# KiCad board 8851_HW-U1-VCU118_REV2-0_071417.kicad_pcb (continued)
## Routing (per net, layer and track width the routed paths; a pad name or vN(x,y) marks a point on that pad's centre or on a via; arc(x,y) is an arc through that point) (continued)
VCC1V2: length 25.8
  TOP w0.138: v3(223.07,59.74) 223.38,59.44 223.38,58.32 223.08,58.03 R1172.1
  TOP w0.15: v3(224.38,53.42) 224.12,53.17 220.88,53.17 220.73,53.32 220.73,55.06
  TOP w0.25: 220.62,68.34 v3(220.62,68.91)
  05_SIG2 w0.25: v3(220.62,68.91) 220.75,68.78 220.75,67.75 219.4,66.4 219.4,63.83 220.38,62.85 221.7,62.85 223.19,61.36 223.19,60.11 223.07,59.99 v3(223.07,59.74)
  BOTTOM w0.15: Z103.2 224.25,53.3 v3(224.38,53.42)
  BOTTOM w0.375: 219.66,55.29 218.87,55.29 v3(218.86,55.3)
  vias: v3(214.91,59.55) v3(216.03,59.55) v3(216.03,58.3) v3(217.28,59.55) v3(217.28,58.3) v3(218.53,59.55) v3(218.53,58.3) v3(219.78,59.55) v3(219.78,58.3) v3(221.03,59.55) v3(221.03,58.3)
VCC1V2_DL: length 7.1
  TOP w0.25: 221.21,45.86 220.62,45.86 220.12,46.35 v3(220.12,46.55)
  05_SIG2 w0.375: v3(220.12,46.55) 218.51,46.55 v3(216.71,48.35)
  BOTTOM w0.25: 215.43,47.96 216.1,47.96 216.48,48.35 v3(216.71,48.35)
VCC1V2_FET_SWITCH: length 23.8
  TOP w0.15: v3(224.38,52.42) 224.12,52.67 220.88,52.67 220.73,52.53 220.73,50.04
  TOP w0.375: v3(213.03,53.58) 212.94,53.66 212.94,54.55
  BOTTOM w0.15: R1107.2 224.12,52.67 v3(224.38,52.42)
  BOTTOM w0.25: 214.78,49.6 214.78,50.46 215.36,51.03 215.36,52.41 215.67,52.72 216.18,52.72
  BOTTOM w0.375: 219.57,50.85 218.56,50.85 216.69,52.72 216.18,52.72 216.18,53.95 215.51,54.63 213.78,54.63 213.41,54.26 213.41,53.96 v3(213.03,53.58) 213.43,53.17 213.43,52.72
  vias: v3(224.66,50.8) v3(224.66,49.55) v3(224.66,48.3) v3(225.16,47.55) v3(225.91,48.3) v3(225.91,47.05) v3(225.96,50.63) v3(225.93,49.38)
VCC1V2_FPGA: length 491.9
  TOP w0.102: v3(117.7,97.68) 117.7,98.43 ; v2(119.33,80.55) U1.H26
  TOP w0.138: R1172.2 223.83,58.03 223.66,58.2 223.66,59.48 v3(223.93,59.74)
  TOP w0.25: 73.38,70.03 73.38,69.52 v1(73.58,69.33) ; v1(79.88,34.49) 80.02,34.35 80.02,33.9 ; 77.74,97.77 77.74,97.3 v1(77.52,97.08) ; 66.52,41.65 67.21,41.65 v1(67.28,41.58) ; 77.01,33.78 77.52,34.29 v1(77.52,34.49) ; 66.52,69.4 67.21,69.4 v1(67.28,69.33) ; v1(68.07,48.36) 67.9,48.2 C349.1 ; 71.13,56.16 71.3,56.16 v1(72,55.45) ; C953.1 69.8,71.33 69.8,72.67 ; 79.88,70.03 79.88,69.33 v1(79.88,69.33) ; v1(73.58,49.15) 73.19,49.54 72.77,49.54 ; C492.1 73.52,48.31 v1(73.58,48.36) ; C498.1 73.52,34.44 v1(73.58,34.49) ; v1(68.07,34.49) 67.9,34.32 C353.1 ; 77.01,89.28 77.52,89.79 v1(77.52,89.99) ; C754.1 73.52,89.94 v1(73.58,89.99) ; v1(77.52,55.45) 77.74,55.68 77.74,56.14 ; C706.1 67.9,89.82 v1(68.07,89.99) ; 221.46,68.34 v3(221.46,68.91) ; v1(73.58,35.28) 73.19,35.67 72.77,35.67 ; C703.1 67.9,62.07 v1(68.07,62.24) ; 71.13,83.91 71.3,83.91 v1(72,83.2) ; 69.8,31.05 69.8,30.21 C558.1 v3(68.93,30.03) ; 79.88,56.16 79.88,55.46 v1(79.88,55.45) ; 80.02,61.65 80.02,62.1 v1(79.88,62.24) ; 71.13,70.03 71.64,70.03 71.74,69.93 71.74,69.59 v1(72,69.33) ; v1(68.07,76.11) 67.9,75.95 C1052.1 ; v3(68.93,43.91) C556.1 69.8,44.08 69.8,44.92 ; 79.88,97.78 79.88,97.08 v1(79.88,97.08) ; C436.1 78.9,56.05 v1(78.3,55.45) ; v1(78.3,69.33) 78.9,69.92 C716.1 ; 72.77,63.42 73.19,63.42 v1(73.58,63.03) ; C441.1 78.9,42.17 v1(78.3,41.58) ; v1(72,41.58) 71.71,41.87 71.71,42.1 71.53,42.28 71.13,42.28 ; 73.38,42.28 73.38,41.77 v1(73.58,41.58) ; v1(77.52,62.24) 77.52,62.04 77.01,61.53 ; 69.8,58.8 69.8,57.96 C695.1 v3(68.93,57.78) ; v1(73.58,97.08) 73.38,97.27 73.38,97.78 ; 73.38,83.91 73.38,83.4 v1(73.58,83.2) ; v1(73.58,62.24) 73.52,62.19 C751.1 ; v1(67.28,83.2) 67.21,83.28 66.52,83.28 ; v1(77.52,83.2) 77.74,83.43 77.74,83.89 ; 66.52,55.53 67.21,55.53 v1(67.28,55.45) ; 71.13,97.78 71.57,97.78 71.76,97.59 71.76,97.32 v1(72,97.08) ; 79.88,83.91 79.88,83.21 v1(79.88,83.2)
  TOP w0.3: C639.1 80.6,90.3 80.19,90.3 v1(79.88,89.99)
  TOP w0.375: 160.59,78.89 v1(160.19,79.28) ; 157.44,86.47 v1(157.05,86.07) ; C706.1 67.67,89.05 66.52,89.05 ; v3(148.6,30.75) 148.6,29.34 148.06,28.8 147.47,29.39 v3(147.47,30.75) ; U141.J1 v2(85.85,112.52) ; U141.B6 v2(90.78,120.4) ; 153.5,60.29 v1(153.11,60.68) ; 164.53,51.14 v1(164.92,51.53) ; U142.K4 v2(71.18,111.38) ; v2(101.61,74.65) 102.1,74.16 ; v3(86.51,97.67) 86.76,97.67 86.87,97.79 Q27.1 ; v1(158.62,58.32) 158.62,58.33 159,58.72 159.01,58.72 ; 157.44,72.59 v1(157.05,72.2) ; 159.01,51.14 v1(158.62,51.53) ; 144.25,104.17 143.88,104.17 143.53,104.52 143.48,104.52 v3(143.22,104.77) ; 95.21,75.14 v2(94.72,75.63) ; v2(97.67,76.62) 98.17,76.12 ; v3(58.9,81.96) 59.95,81.96 C520.1 59.97,81.08 v3(58.9,81.08) ; 106.04,62.35 v2(105.55,61.85) ; 103.09,71.2 v2(102.6,71.7) ; 160.59,37.02 v1(160.19,37.41) ; 163.74,58.72 v1(164.13,58.32) ; v1(67.28,97.08) 67.21,97.15 66.52,97.15 ; 152.71,44.84 v1(152.32,44.45) ; 82.25,70.15 81.51,70.15 v3(81.5,70.16) ; 152.71,37.02 v1(152.32,37.41) ; v3(58.89,82.88) 59.07,83.05 59.96,83.05 C519.1 60.21,83.68 v3(58.91,83.68) ; 155.08,44.84 v1(154.68,44.45) ; U142.J9 v2(77.09,112.37) ; v2(101.61,63.82) 102.1,64.31 ; v3(84,62.35) 84,62.34 83.96,62.3 83.24,62.3 83.24,63.55 ; 97.18,59.39 v2(96.69,58.9) ; v2(136.06,68.74) 135.57,68.25 ; U141.E9 v2(94.71,117.44) ; v2(136.06,78.59) 135.57,78.09 ; v2(118.34,83.51) U1.E25 ; 55.7,67.38 56.61,67.38 v3(56.83,67.59) ; C1232.1 99.87,117.68 v2(99.64,117.44) ; 155.08,92.77 v1(154.68,93.16) ; 96.2,52.5 v2(95.71,52.01) ; 76.6,116.8 v2(77.09,117.29) ; 163.74,30.72 v1(164.13,30.32) ; v1(158.62,30.32) 158.62,30.33 159,30.72 159.01,30.72 ; J101.1 228.96,54.2 ; J101.1 227.91,53.15 ; J101.1 228.17,53.94 ; J101.1 229.75,53.94 ; J101.1 230.01,53.15 ; J101.1 228.96,52.1 ; J101.1 228.17,52.36 ; J101.1 229.75,52.36 ; 157.44,78.89 v1(157.05,79.28) ; 113.57,125.33 104.62,125.33 103.6,125.33 v3(102.9,124.62) ; U141.B8 v2(93.73,120.4) ; 100.13,70.22 v2(99.64,70.71) ; 163.74,44.84 v1(164.13,44.45) ; U142.L11 v2(79.06,110.4) ; U141.A5 v2(89.79,121.38) ; v2(72.17,121.23) U142.A5 ; 108.99,63.33 v2(108.5,62.84) ; 157.44,92.77 v1(157.05,93.16) ; U141.E5 v2(89.79,117.44) ; 55.7,68.63 56.61,68.63 v3(56.83,68.84) ; v2(96.69,69.73) 97.18,69.24 ; 164.53,78.89 v1(164.92,79.28) ; v2(99.64,111.54) 99.7,111.61 C1292.1 ; 152.71,65.02 v1(152.32,65.41) ; v3(143.2,27.93) 144.31,27.93 144.69,28.3 C168.1 144.69,29.11 144.3,29.5 v3(143.1,29.5) ; v2(98.66,73.66) 99.15,73.17 ; v2(132.12,80.55) 131.63,80.06 ; 153.5,37.02 v1(153.11,37.41) ; 83.24,59.8 v3(84,59.8) ; v2(103.58,68.74) 104.07,68.25 ; U142.C3 v2(70.2,119.26) ; U142.L3 v2(70.2,110.4) ; 96.2,62.35 v2(95.71,61.85) ; 79.55,115.81 v2(80.04,116.31) ; 159.01,72.59 159,72.59 158.62,72.2 v1(158.62,72.2) ; 153.5,74.17 v1(153.11,74.56) ; v3(52.94,131.65) 52.94,131.04 52.33,130.43 51.78,130.98 v3(51.78,131.63) ; v2(133.11,67.76) 132.62,67.27 ; 80.53,116.8 v2(81.03,117.29) ; v3(64.85,112.11) 64.89,112.07 65.65,112.07 R1142.1 ; v2(72.17,112.37) U142.J5 ; 157.44,58.72 v1(157.05,58.32) ; v3(68.95,71.47) 69.27,71.16 C953.1 ; 160.59,51.14 v1(160.19,51.53) ; v3(56.83,70.09) 56.61,69.88 55.7,69.88 ; 155.08,72.59 v1(154.68,72.2) ; 155.08,30.72 v1(154.68,30.32) ; 72.78,90.48 73.09,90.48 v1(73.58,89.99) ; U141.J5 v2(89.79,112.52) ; U141.C11 v2(96.68,119.41) ; U141.C3 v2(87.82,119.41) ; U142.K10 v2(78.07,111.38) ; 153.5,46.42 v1(153.11,46.81) ; v2(113.42,85.48) U1.C21 ; 130.65,73.17 v2(131.14,73.66) ; 159.01,78.89 v1(158.62,79.28) ; 159.01,50.35 v1(158.62,50.75) ; 94.23,78.09 v2(93.74,78.59) ; 105.06,65.3 v2(104.56,65.79) ; 100.13,80.06 v2(99.64,80.55) ; v2(135.08,81.54) 134.58,81.05 ; U141.D10 v2(95.7,118.43) ; U142.C11 v2(79.06,119.26) ; 159.01,73.38 v1(158.62,72.99) ; v2(106.53,69.73) 107.02,69.24 ; 159.01,92.77 v1(158.62,93.16) ; v3(63.07,44.17) 63.88,44.17 64.12,44.42 64.12,45.49 62.79,45.49 62.42,45.12 v3(62.42,44.6) ; U141.L3 v2(87.82,110.55) ; 164.53,37.02 v1(164.92,37.41) ; U141.M6 v2(90.78,109.57) ; v2(94.72,54.96) 95.21,55.46 ; 159.01,65.02 v1(158.62,65.41) ; 68.72,116.8 v2(68.23,117.29) ; v3(68.93,30.03) 68.84,30.03 67.9,30.98 C353.1 ; 160.59,44.84 v1(160.98,44.45) ; v2(124.25,85.48) U1.C31 ; 159.01,59.5 v1(158.62,59.11) ; v1(75.15,76.11) 75.15,75.98 75.52,75.61 C1053.1 ; v3(172.38,66.08) 173.35,66.08 173.56,65.86 C166.1 173.56,64.27 v3(172.38,64.27) ; v1(71.22,76.11) 71.15,76.05 C1138.1 ; v2(137.04,75.63) 136.55,75.14 ; v2(88.81,111.54) U141.K4 ; 159.01,86.47 159,86.47 158.62,86.08 v1(158.62,86.07) ; 159.01,36.23 v1(158.62,36.62) ; v2(100.63,56.93) 101.12,57.42 101.12,57.42 ; 154.29,44.84 v1(153.9,44.45) ; 98.17,66.28 v2(97.67,66.77) ; U141.K10 v2(95.7,111.54) ; v2(139.01,79.57) 138.52,79.08 ; v1(73.58,76.11) 73.52,76.06 C1140.1 ; 134.58,71.2 v2(135.08,71.7) ; v2(100.63,77.6) 101.12,77.11 ; 155.08,65.02 v1(154.68,65.41) ; U141.J13 v2(98.65,112.52) ; 71.68,117.78 v2(71.18,118.27) ; 159.01,78.1 v1(158.62,78.5) ; U141.J9 v2(94.71,112.52) ; v3(81.54,72.33) 81.88,72.33 82.1,72.55 82.25,72.55 ; 160.59,65.02 v1(160.19,65.41) ; 155.08,78.89 v1(154.68,79.28) ; 153.5,92.77 v1(153.11,93.16) ; v2(126.22,68.74) 125.73,68.25 ; 157.44,30.72 v1(157.05,30.32) ; 157.44,44.84 v1(157.05,44.45) ; v1(75.15,48.36) 75.15,48.03 C348.1 ; 82.25,54.03 v3(81.5,54.03) ; 80.53,112.86 v2(81.03,112.37) ; 160.59,58.72 v1(160.98,58.32) ; v3(84,71.33) 83.85,71.17 83.24,71.17 ; v2(98.66,52.99) 99.15,53.49 ; 82.25,75.5 82.17,75.5 v3(81.62,76.05) ; 159.01,37.02 v1(158.62,37.41) ; 106.04,72.19 v2(105.55,72.68) ; v2(103.58,57.92) 104.07,58.41 ; 152.71,86.47 v1(152.32,86.07) ; U142.J1 v2(68.23,112.37) ; 160.59,92.77 v1(160.19,93.16) ; 164.53,65.02 v1(164.92,65.41) ; 94.23,48.57 v2(93.74,48.07) ; 155.08,37.02 v1(154.68,37.41) ; v2(99.64,50.04) 100.13,50.53 ; U141.A9 v2(94.71,121.38) ; U141.M8 v2(93.73,109.57) ; v2(99.64,59.88) 100.13,60.38 ; 157.44,65.02 v1(157.05,65.41) ; v3(84,60.99) 84,61 83.95,61.05 83.24,61.05 ; 157.44,51.14 v1(157.05,51.53) ; U141.D4 v2(88.81,118.43) ; 101.12,67.27 v2(100.63,67.76) ; 159.01,31.5 v1(158.62,31.11) ; 154.29,58.72 v1(153.9,58.32) ; 80.02,89.4 80.02,89.85 v1(79.88,89.99) ; v1(71.22,48.36) 71.15,48.3 C491.1 ; v3(56.83,71.34) 56.61,71.13 55.7,71.13 ; v1(158.62,44.45) 158.62,44.45 159,44.84 159.01,44.84 ; 103.09,61.36 v2(102.6,60.87) ; 154.29,86.47 v1(153.9,86.07) ; 79.55,113.85 v2(80.04,113.35) ; 133.6,74.16 v2(134.09,74.65) ; 107.02,59.39 v2(106.53,58.9) ; 155.08,51.14 v1(154.68,51.53) ; 155.08,86.47 v1(154.68,86.07) ; 163.74,86.47 v1(164.13,86.07) ; 157.44,37.02 v1(157.05,37.41) ; v2(129.17,69.73) 128.68,69.24 ; v2(130.15,66.77) 129.66,66.28 ; 95.21,65.3 v2(94.72,65.79) ; 69.38,87.8 69.38,87.04 70.12,86.3 v3(70.12,86.26) ; 154.29,30.72 v1(153.9,30.32) ; 154.29,72.59 v1(153.9,72.2) ; 153.5,65.02 v1(153.11,65.41) ; 159.01,64.23 v1(158.62,64.62) ; U141.N5 v2(89.79,108.58) ; 159.01,87.25 v1(158.62,86.86) ; v2(97.67,55.95) 98.17,56.44 ; 129.66,76.12 v2(130.15,76.62) ; 153.5,51.14 v1(153.11,51.53) ; 69.71,113.85 v2(69.21,113.35) ; 163.74,72.59 v1(164.13,72.2) ; v2(72.17,108.43) 72.66,108.92 ; 127.69,72.19 v2(128.19,72.68) ; 82.25,51.07 v3(81.5,51.07) ; v2(107.52,66.77) 108.01,66.28 ; 152.71,92.77 v1(152.32,93.16) ; 82.25,67.2 v3(81.5,67.2) ; C1270.1 v3(82.28,120.93) ; 153.5,78.89 v1(153.11,79.28) ; 152.71,78.89 v1(152.32,79.28) ; 96.2,72.19 v2(95.71,72.68) ; v2(138.03,72.68) 137.54,72.19 ; 152.71,51.14 v1(152.32,51.53) ; 153.5,88.04 v1(153.11,88.43) ; 159.01,91.98 v1(158.62,92.37) ; 77.58,117.78 v2(78.07,118.27) ; v2(96.69,79.57) 97.18,79.08 ; v2(107.52,83.51) U1.E15 ; v2(72.17,117.29) 72.66,116.8 ; v2(98.66,62.84) 99.15,63.33 ; v2(93.74,68.74) 94.23,68.25 ; 155.08,58.72 v1(154.68,58.32) ; v2(93.74,57.92) 94.23,58.41 ; U141.L11 v2(96.68,110.55) ; 153.5,32.29 v1(153.11,32.68) ; 159.01,45.63 v1(158.62,45.24) ; U1.D28 v2(121.3,84.49) ; 152.71,58.72 v1(152.32,58.32) ; v2(139.01,69.73) 138.52,69.24 ; U141.N9 v2(94.71,108.58) ; 152.71,30.72 v1(152.32,30.32) ; 132.62,77.11 v2(133.11,77.6) ; 164.53,92.77 v1(164.92,93.16)
  05_SIG2 w0.107: 118.41,88.07 118.39,88.05 118.34,88.05 117.94,87.65 117.94,86.21 117.61,85.88 117.05,85.88 116.79,85.62 116.79,81.43 117.07,81.15 117.65,81.15 117.95,80.85 117.95,80.29 118.08,80.16 119.22,80.16 119.33,80.27 v2(119.33,80.55)
  05_SIG2 w0.133: v3(117.7,97.68) 117.29,97.68 117.13,97.53 117.13,96.98 118.83,95.28 118.83,88.48 118.41,88.07
  05_SIG2 w0.25: v3(221.46,68.91) 221.41,68.85 221.41,67.48 220.06,66.13 220.06,64.1 220.65,63.51 221.97,63.51 223.85,61.63 223.85,60.08 223.93,59.99 v3(223.93,59.74)
  05_SIG2 w0.3: v2(131.14,73.66) 130.89,73.66 130.4,73.17 128.91,73.17 128.42,72.68 v2(128.19,72.68)
  05_SIG2 w0.375: 106.89,58.54 v2(106.53,58.9) 106.17,58.54 ; 105.91,62.21 v2(105.55,61.85) 105.19,62.21
  12_PWR3 w0.375: J105.1 88.94,128.16 ; J105.1 88.15,126.32 ; J105.1 88.15,127.9 ; J105.1 89.74,127.9 ; J105.1 88.94,126.06 ; J105.1 89.74,126.32 ; J105.1 87.89,127.11 ; J105.1 89.99,127.11 ; 228.17,53.94 J101.1 ; J101.1 228.96,52.1 ; J101.1 227.91,53.15 ; J101.1 230.01,53.15 ; J101.1 228.17,52.36 ; J101.1 228.96,54.2 ; J101.1 229.75,53.94 ; J101.1 229.75,52.36
  14_SIG4 w0.3: v2(129.17,69.73) 128.68,69.24 126.71,69.24 v2(126.22,68.74)
  16_SIG5 w0.25: v2(105.55,72.68) 105.06,72.19 103.09,72.19 v2(102.6,71.7)
  18_SIG6 w0.25: v2(101.61,74.65) 102.1,74.16 104.83,74.16 105.06,73.93 105.06,73.17 v2(105.55,72.68)
  20_SIG7 w0.3: v2(99.64,50.04) 99.64,50.25 99.15,50.74 99.15,52.5 v2(98.66,52.99) ; v2(95.71,52.01) 95.21,51.52 93.3,51.52 93.08,51.3 93.08,48.73 v2(93.74,48.07)
  BOTTOM w0.17: 92.77,117.06 92.77,117.06 93.14,117.06 93.24,116.96 94.23,116.96 v2(94.71,117.44)
  BOTTOM w0.188: v2(130.15,76.62) 130.15,76.8 130.65,77.3 130.65,82.75 130.88,82.97 131.32,82.97 131.65,83.3 131.65,83.75 131.9,84 133.33,84 133.6,84.27 133.6,84.29 133.6,84.71 133.87,84.98 134.31,84.98 134.58,85.25 134.58,85.7 134.85,85.97 135.32,85.97 135.57,86.22 135.57,86.68 135.84,86.95 138.56,86.95 138.92,86.59 142.82,86.59 143.74,85.67 148.87,85.67 149.06,85.87
  BOTTOM w0.25: C1172.1 152.75,79.65 v1(153.11,79.28) ; C1178.1 152.75,37.77 v1(153.11,37.41) ; 159.43,87.12 158.88,87.12 v1(158.62,86.86) ; 143.79,103.44 143.79,103.94 143.22,104.51 v3(143.22,104.77) ; v1(164.92,93.16) 165.18,93.42 165.18,93.75 ; v1(164.92,65.41) 165.18,65.67 165.18,66 ; v1(160.19,51.53) 160.9,52.24 C1165.1 ; v1(164.13,30.32) 164.19,30.26 C1204.1 ; 151.67,86 152.25,86 v1(152.32,86.07) ; 159.31,45.48 158.87,45.48 v1(158.62,45.24) ; C1174.1 152.75,93.59 v1(152.32,93.16) ; 165.18,38 165.18,37.67 v1(164.92,37.41) ; v1(158.62,93.16) 158.82,93.35 C1221.1 ; 162.67,82.74 162.67,83.12 162.49,83.3 162.49,83.7 v3(163.15,83.7) ; 165.18,52.12 165.18,51.8 v1(164.92,51.53) ; C1177.1 160.72,37.94 v1(160.19,37.41) ; C1197.1 164.19,72.14 v1(164.13,72.2) ; C1210.1 157,44.4 v1(157.05,44.45) ; C1224.1 153.79,89.12 v1(153.11,88.43) ; v1(153.11,51.53) 152.75,51.9 C1166.1 ; C1209.1 158.94,51.85 v1(158.62,51.53) ; v1(153.11,46.81) 153.79,47.49 C1211.1 ; v1(164.13,58.32) 164.19,58.26 C1193.1 ; v1(158.62,37.41) 158.82,37.6 C1228.1 ; 151.67,30.25 152.25,30.25 v1(152.32,30.32) ; v1(157.05,58.32) 157,58.27 C1214.1 ; v1(157.05,37.41) 156.85,37.61 C1207.1 ; v1(158.62,59.11) 158.87,59.36 159.31,59.36 ; v1(160.19,93.16) 160.72,93.69 C1175.1 ; 165.18,79.87 165.18,79.55 v1(164.92,79.28) ; C1220.1 157,72.15 v1(157.05,72.2) ; v1(157.05,51.53) 156.85,51.73 C1188.1 ; v1(157.05,93.16) 156.85,93.36 C1202.1 ; 162.67,68.88 162.67,69.37 162.49,69.55 162.49,69.83 v3(163.27,69.83) ; v1(153.11,32.68) 153.79,33.37 C1227.1 ; v1(157.05,86.07) 157,86.02 C1222.1 ; v3(166.57,30.4) C1161.1 ; C1189.1 164.19,44.39 v1(164.13,44.45) ; 162.49,55.95 162.98,55.95 163.09,56.07 v3(163.48,56.07) 163.57,55.98 C1146.1
  BOTTOM w0.3: v1(157.05,30.32) 157,30.27 C1226.1 ; C1169.1 152.75,65.77 v1(153.11,65.41) ; C1168.1 160.23,65.41 v1(160.19,65.41) ; v1(160.19,79.28) 160.55,79.64 C1171.1 ; v1(160.98,44.45) 160.98,43.78 160.62,43.42 160.25,43.42 ; C1213.1 158.94,65.73 v1(158.62,65.41) ; C1219.1 153.79,75.24 v1(153.11,74.56) ; v1(158.62,72.99) 158.87,73.23 159.31,73.23 ; v1(158.62,31.11) 158.87,31.36 159.31,31.36 ; v1(157.05,79.28) 156.7,79.63 C1196.1 ; C1216.1 153.79,61.37 v1(153.11,60.68) ; v1(160.98,58.32) 160.33,57.67 160.33,57.35 ; v1(157.05,65.41) 156.85,65.61 C1194.1 ; v1(158.62,79.28) 158.64,79.3 C1218.1
  BOTTOM w0.375: 77.12,55.06 v1(77.52,55.45) ; C1452.1 148.75,78.67 v3(148.38,78.3) ; 73.19,54.27 v1(73.58,54.66) ; C1163.1 v3(166.73,92.28) ; 77.12,96.68 v1(77.52,97.08) ; 227.91,53.15 J101.1 ; J101.1 229.75,53.94 ; J101.1 228.96,54.2 ; J101.1 230.01,53.15 ; J101.1 228.17,53.94 ; J101.1 228.17,52.36 ; 162.49,28.08 162.49,27.66 v3(162.75,27.4) ; 73.19,96.68 v1(73.58,97.08) ; C74.1 229.38,78.49 v3(229.51,78.62) 229.51,79.83 ; 73.19,40.4 v1(73.58,40.79) ; 78.7,68.93 v1(79.09,69.33) ; 77.12,76.51 v1(77.52,76.11) ; v3(139.84,107.44) 140.49,107.44 C1186.1 140.14,108.77 v3(139.9,108.77) ; 73.19,49.55 v1(73.58,49.15) ; 98.78,106.8 98.78,107.47 v2(98.65,107.6) ; 73.19,34.88 v1(73.58,34.49) ; C1453.1 148.51,77.05 v3(148.38,77.05) ; 79.15,114.18 79.21,114.18 v2(80.04,113.35) ; 76.34,34.88 v1(76.73,34.49) ; 67.67,82.81 v1(67.28,83.2) ; 219.25,67.06 v3(218.51,67.06) ; 72.12,107.55 72.12,108.38 v2(72.17,108.43) ; 77.91,48.76 v1(78.3,48.36) ; 77.91,68.93 v1(78.3,69.33) ; 73.19,41.18 v1(73.58,41.58) ; C1203.1 163.88,85.82 v1(164.13,86.07) ; v3(51.78,131.63) 51.78,130.98 52.33,130.43 52.94,131.04 v3(52.94,131.65) ; v2(93.73,109.57) 93.23,110.07 93.03,110.07 ; 79.48,34.88 v1(79.88,34.49) ; v2(79.06,107.45) 79.06,107.45 79,107.39 79,106.57 ; R105.1 86.76,97.8 86.63,97.67 v3(86.51,97.67) ; 77.12,82.81 v1(77.52,83.2) ; 67.67,96.68 v1(67.28,97.08) ; 73.19,68.15 v1(73.58,68.54) ; 73.19,95.9 v1(73.58,96.29) ; 78.7,82.81 v1(79.09,83.2) ; v2(94.71,121.38) 94.79,121.45 C1293.1 ; 76.34,64.21 v1(76.73,64.6) ; 79.48,76.51 v1(79.88,76.11) ; 76.34,36.46 v1(76.73,36.85) ; 79.48,96.68 v1(79.88,97.08) ; 78.7,36.46 v1(79.09,36.85) ; 77.12,48.76 v1(77.52,48.36) ; 77.91,34.88 v1(78.3,34.49) ; 77.91,62.63 v1(78.3,62.24) ; 73.19,48.76 v1(73.58,48.36) ; 76.34,90.38 v1(76.73,89.99) ; 77.12,34.88 v1(77.52,34.49) ; 77.12,90.38 v1(77.52,89.99) ; 76.34,78.08 v1(76.73,78.48) ; 78.7,64.21 v1(79.09,64.6) ; 77.91,55.06 v1(78.3,55.45) ; 78.7,41.18 v1(79.09,41.58) ; 76.34,76.51 v1(76.73,76.11) ; 68.46,76.51 v1(68.07,76.11) ; 76.34,50.33 v1(76.73,50.73) ; 67.67,68.93 v1(67.28,69.33) ; 71.61,68.93 v1(72,69.33) ; 79.48,62.63 v1(79.88,62.24) ; 73.19,68.93 v1(73.58,69.33) ; C1285.1 69.91,114.05 v2(69.21,113.35) ; 73.19,62.63 v1(73.58,62.24) ; 79.48,48.76 v1(79.88,48.36) ; 67.67,55.06 v1(67.28,55.45) ; 68.46,62.63 v1(68.07,62.24) ; 68.46,48.76 v1(68.07,48.36) ; 96.56,123.74 97.71,123.74 v3(97.95,123.5) 98.82,123.5 99.06,123.74 ; 150.5,65.7 151.12,65.7 151.41,65.41 v1(152.32,65.41) ; 77.91,76.51 v1(78.3,76.11) ; 74.76,76.51 v1(75.15,76.11) ; 71.61,96.68 v1(72,97.08) ; v3(64.5,111.42) 65.03,111.42 R1142.1 ; 78.7,78.08 v1(79.09,78.48) ; C1575.1 148.83,75.42 148.46,75.8 v3(148.38,75.8) 148.38,76.17 148.63,76.42 C1450.1 ; 73.19,82.81 v1(73.58,83.2) ; 67.67,41.18 v1(67.28,41.58) ; 71.61,41.18 v1(72,41.58) ; v2(73.15,107.44) 73.48,107.12 C1272.1 ; 219.25,68.04 v3(218.51,68.04) ; 71.61,82.81 v1(72,83.2) ; 73.19,63.42 v1(73.58,63.03) ; 73.19,90.38 v1(73.58,89.99) ; Q28.1 170.67,27.16 170.57,27.06 169.96,27.06 v3(169.38,26.48) ; 76.34,62.63 v1(76.73,62.24) ; 68.46,90.38 v1(68.07,89.99) ; 74.76,48.76 v1(75.15,48.36) ; 78.7,96.68 v1(79.09,97.08) ; 92.9,119.8 93.13,119.8 v2(93.73,120.4) ; 79.48,55.06 v1(79.88,55.45) ; 68.46,34.88 v1(68.07,34.49) ; 71.61,76.51 v1(71.22,76.11) ; 76.34,48.76 v1(76.73,48.36) ; 77.12,62.63 v1(77.52,62.24) ; 77.91,41.18 v1(78.3,41.58) ; 79.48,90.38 v1(79.88,89.99) ; 76.34,91.96 v1(76.73,92.35) ; 79.48,68.93 v1(79.88,69.33) ; 78.7,91.96 v1(79.09,92.35) ; 73.19,35.67 v1(73.58,35.28) ; 71.61,55.06 v1(72,55.45) ; 79.48,82.81 v1(79.88,83.2) ; 73.19,82.02 v1(73.58,82.41) ; 73.19,76.51 v1(73.58,76.11) ; 71.61,48.76 v1(71.22,48.36) ; 78.7,55.06 v1(79.09,55.45) ; 78.7,50.33 v1(79.09,50.73) ; 77.91,90.38 v1(78.3,89.99)
  vias: v1(71.22,91.56) v1(71.22,77.69) v1(71.22,63.81) v1(71.22,49.94) v1(71.22,36.06) v1(75.94,91.56) v1(75.94,77.69) v1(75.94,63.81) v1(75.94,49.94) v1(75.94,36.06) v1(76.73,95.5) v1(76.73,81.63) v1(76.73,67.75) v1(76.73,53.88) v1(76.73,40) v1(155.47,91.58) v1(155.47,77.71) v1(155.47,63.83) v1(155.47,49.96) v1(155.47,35.83) v1(156.26,87.65) v1(156.26,73.77) v1(156.26,59.9) v1(156.26,46.02) v1(156.26,31.9) v1(160.98,87.65) v1(160.98,73.77) v1(160.98,59.9) v1(160.98,46.02) v1(160.98,31.9) v3(143.62,109.03) v3(144.05,108.4) v3(144.09,107.6) v3(167.68,37.1) v3(167.8,36.44) v3(225.91,57.43) v3(225.91,56.05) v3(225.91,54.8) v3(226,59.55) v3(226,58.55) v3(227.13,59.48) v3(227.13,58.23) v3(227.13,56.98) v3(228.38,59.48) v3(228.38,58.23) v3(228.38,56.98)
VCC1V2_FPGA_SNS_N: length 122.3
  16_SIG5 w0.087: v3(213.76,41.85) 213.36,41.45 213.36,40.95 208.89,36.48 200.06,36.48 197.68,38.86 197.68,40.64 188.39,49.92 178.23,49.92 174.7,46.39 170.5,46.39 169.03,47.87 169.03,56.82 167.18,58.67 167.18,62.81 168.34,63.97 168.34,67.49 167.93,67.9 167.93,70.11 168.24,70.42 168.48,70.43 v3(168.82,70.76)
  BOTTOM w0.102: C1534.2 213.48,43.09 213.48,43.35 214.29,44.16 214.29,44.85 ; C1534.2 213.78,41.87 v3(213.76,41.85) ; C1534.2 C1447.1 ; v3(168.82,70.76) 169.18,70.4 170.88,70.4 171.18,70.7 171.18,71.62 170.98,71.83 169.41,71.83 167.91,73.33 165.88,73.33 165.45,73.75 165.45,75.22 164.5,76.17 162.18,76.17 161.72,76.63 161.72,79.42 162.12,79.83 162.12,80.68 158.24,84.56 151.79,84.56 150.98,85.37 149.89,85.37 149.64,85.12
  BOTTOM w0.25: 214.56,51.73 214.56,51.13 214.29,50.86 U4.26
VCC1V2_FPGA_SNS_P: length 165.5
  TOP w0.102: 221.79,66.52 221.79,67.37 222.05,67.62 222.05,68.23 222.15,68.33 v3(222.15,68.44)
  03_SIG1 w0.133: v3(222.15,68.44) 221.66,67.94 221.66,66.72 222.32,66.05 222.32,62.55 224.78,60.1 224.78,54.8 227.28,52.3 227.28,44.67 225.32,42.72 213.46,42.72 v3(212.66,41.93)
  16_SIG5 w0.087: v3(212.66,41.93) 212.96,41.93 213.08,41.8 213.08,41.06 212.83,40.8 212.37,40.8 212.22,40.65 212.22,40.46 212.26,40.42 212.26,40.23 208.78,36.75 200.17,36.75 197.95,38.98 197.95,40.75 188.5,50.2 178.12,50.2 174.59,46.67 170.61,46.67 169.3,47.98 169.3,56.93 167.45,58.78 167.45,62.7 168.61,63.86 168.61,67.6 168.2,68.02 168.2,69.99 168.36,70.15 168.48,70.15 v3(168.82,69.81)
  BOTTOM w0.102: 149.64,85.87 149.91,85.6 151.08,85.6 151.89,84.79 158.34,84.79 162.35,80.77 162.35,79.73 161.95,79.33 161.95,76.72 162.28,76.4 164.59,76.4 165.68,75.32 165.68,73.84 165.97,73.55 168,73.55 169.5,72.05 171.07,72.05 171.41,71.72 171.41,70.61 170.98,70.18 169.18,70.18 v3(168.82,69.81) ; v3(212.66,41.93) 212.91,42.18 212.91,42.68 C1534.1 212.79,43.28 213.06,43.55 213.3,43.55 213.8,44.05 213.8,44.85
  BOTTOM w0.25: 213.43,51.73 213.8,51.37 U4.27
VCC1V2_FPGA_VIN: length 5.3
  TOP w0.15: 221.46,67.76 221.3,67.6 221.3,65.69 v3(221.49,65.5) 221.24,65.25 221.24,64.91 220.82,64.5 220.21,64.5 219.89,64.18 219.38,64.18
VCC1V2_PGOOD: length 183.6
  16_SIG5 w0.375: v3(202.67,147.35) 202.31,147.71 197.52,147.71 196.43,148.79 196.43,152.79 195.7,153.52 195.7,164.15 193,166.85 v3(193,167.68)
  18_SIG6 w0.375: v3(202.67,147.35) 202.29,147.73 201.68,147.73 199.72,149.68 194.95,149.68 194.12,148.85 191.68,148.85 187.32,144.5 183,144.5 180.23,141.73 180.23,134.2 181.55,132.88 185.6,132.88 189.78,128.7 201.53,128.7 206.8,123.42 206.8,76.62 212.85,70.58 212.85,59 211.76,57.91 211.76,53.91 212.88,52.79 212.88,50.37 210.68,48.17 v3(210.68,44.1)
  BOTTOM w0.25: 211.34,44.85 211.34,44.61 210.83,44.1 v3(210.68,44.1) ; 198.15,149.11 198.49,149.11 199.87,147.73 200.74,147.73
  BOTTOM w0.375: 200.74,147.73 202.29,147.73 v3(202.67,147.35) ; 193,168.86 v3(193,167.68)
VCC1V2_TEMPX: length 42.1
  BOTTOM w0.25: 222,53.91 221.51,54.4 221.51,55.92 220.92,56.5 213.77,56.5 208.26,50.98 208.26,50.47 208.5,50.23 208.91,50.23 209.31,49.83 209.31,49.36 210.21,48.46 210.68,48.46 ; C1540.1 207.76,50.47 207.76,51.19 213.57,57 221.17,57 222.49,55.68 222.49,55.19
  BOTTOM w0.375: C1540.1 v3(206.73,50.23)
VCC1V2_VIN: length 4.7
  TOP w0.15: 220.62,67.76 220.81,67.58 220.81,65.67 v3(220.64,65.5) 220.89,65.25 220.89,65.06 220.68,64.85 220.21,64.85 219.89,65.17 219.38,65.17
VCC1V8: length 110.1
  TOP w0.138: v3(142.56,124.62) 142.72,124.78 143.95,124.78 144.01,124.72 144.01,123.85
  TOP w0.15: 148.29,122.72 150.17,122.72 150.62,123.17 150.62,125.83 v3(150.22,126.23) ; L80.2 151.58,122.72 151.12,123.17 151.12,125.88 v3(151.47,126.23)
  TOP w0.375: v3(12.23,152.02) 12.23,150.23 11.96,149.96 10.97,149.96 10.31,149.96 9.95,150.33 v3(9.95,152) ; 30.7,113.85 30.7,114.5 v3(30.18,115.02) 29.75,115.02 29.45,114.72 29.45,113.85 ; v3(52.48,145.62) 52.71,145.39 53.46,145.39 53.49,145.41 U19.1
  18_SIG6 w0.375: v3(66.23,134.11) 65.55,134.8 60.49,134.8 60.02,135.27 v3(58.77,135.27)
  BOTTOM w0.138: v3(142.56,124.62) 142.44,124.75 R100.2
  BOTTOM w0.15: v3(151.47,126.23) 151.12,125.88 151.12,122.54 ; v3(150.22,126.23) 150.56,125.89 150.56,120.9 150.38,120.71
  BOTTOM w0.2: U22.6 v3(50.45,79.47) ; v3(54.38,76.29) 53.82,76.84 53.82,77.24 ; 34.63,66.85 34.63,66.22 34.12,65.72 v3(33.85,65.72)
  BOTTOM w0.375: 56.25,32.91 56.25,34.46 v3(56.03,34.68) 55.94,34.77 55.94,35.58 ; 131.75,30.68 131.75,29.55 131,28.8 v3(131,26.05) ; v3(66.23,134.11) 67.39,135.28 89.34,135.28 91.53,133.09 99.17,133.09 99.38,133.31 R53.1 98.86,134.45 v3(98.86,135.43) ; 205.07,29.24 205.75,29.24 206.99,28 v3(208.97,28) ; C39.1 33.96,65.61 v3(33.85,65.72) ; 61.85,63.34 61.85,63.78 v3(62.27,64.2) ; 56.25,58.08 56.25,59.55 55.94,59.86 55.94,60.5 v3(55.94,61.35) ; 217.21,22.15 v3(218.25,22.15) ; 54.38,75.42 v3(54.38,76.29) ; 27.25,86.96 v3(26.41,86.96) ; v3(55.32,147.74) 53.03,147.74 ; 58.77,136.09 v3(58.77,135.27) ; v3(148.3,119.17) 148.31,119.18 R1154.1 ; 57.52,136.09 v3(57.52,135.27) ; R72.1 45.56,140.62 v3(45.4,140.78)
  vias: v3(18.62,87.32) v3(19.62,87.32) v3(20.62,87.32) v3(38.58,88.25) v3(39.38,88.25) v3(42.8,74.8) v3(98.26,28.77) v3(146.05,122.6) v3(146.05,121.47) v3(146.05,120.47) v3(146.05,119.72) v3(146.05,118.47) v3(193,125.55) v3(194.25,125.55) v3(195.5,125.55) v3(196.75,125.55) v3(196.75,124.55) v3(198,125.55) v3(198,124.55) v3(199.25,125.55) v3(199.25,124.55)
VCC1V8_DH_R: length 15.9
  TOP w0.375: 158.13,124.42 v3(158.13,125.35)
  03_SIG1 w0.375: v3(150.17,114.87) 152.05,116.75 152.05,118.03 156.86,122.84 157.66,122.84 158.13,123.31 v3(158.13,125.35)
  BOTTOM w0.5: 150.88,114.87 v3(150.17,114.87)
VCC1V8_DL: length 6.9
  TOP w0.25: 157.49,121.53 157.49,121.04 v3(157.05,120.6)
  07_SIG3 w0.375: v3(157.05,120.6) 157.05,118.82 v3(155.25,117.02)
  BOTTOM w0.25: 155.64,115.75 155.64,116.41 155.25,116.8 v3(155.25,117.02)
VCC1V8_FET_SWITCH: length 19.4
  TOP w0.375: 149.05,113.75 149.92,113.75 v3(149.93,113.75)
  BOTTOM w0.25: U9.16 158.1,110.65 158.62,110.12 159.17,110.12 159.55,109.75 159.55,109.09 160.55,109.09 ; 150.88,115.99 151.2,115.67 152.5,115.67 153.08,115.1 154,115.1
  BOTTOM w0.3: 150.88,115.99 150.88,116.5
  BOTTOM w0.375: 150.88,113.75 v3(149.93,113.75) 149.32,114.36 149.32,115.91 149.91,116.5 150.88,116.5 150.88,117.01 151.51,117.64 152.64,118.76 152.64,121.32
  vias: v3(152.21,124.7) v3(152.66,125.33) v3(153.1,124.69) v3(153.58,125.3) v3(154.13,124.72) v3(154.72,125.19) v3(156.13,125.28) v3(156.97,125.25)
VCC1V8_FPGA: length 377.5
  TOP w0.138: v3(142.56,125.37) 142.76,125.17 143.91,125.17 144.01,125.27 144.01,126.15
  TOP w0.375: 116.87,75.14 v2(117.36,75.63) ; v3(126.32,118.09) 126.74,118.09 127.69,119.04 C247.1 127.69,120.14 127.25,120.58 v3(126.32,120.58) ; 118.84,73.17 v2(119.33,73.66) ; v2(115.39,70.71) 115.88,70.22 ; 135.57,58.41 v2(136.06,57.92) ; 155.12,24.29 154.32,24.29 v3(154.25,24.36) ; 133.6,64.31 v2(134.09,63.82) ; v3(125.53,127.6) 123.61,127.6 123.38,127.36 123.86,126.88 125.33,126.88 v3(125.47,126.72) ; 148.38,97.56 v3(147.51,97.56) 146.62,97.56 ; 115.88,72.19 v2(115.39,72.68) ; 154.87,18.01 154.87,18.55 v3(154.62,18.8) ; R1016.1 v3(140.13,26.67) ; v2(114.41,71.7) 114.9,71.2 ; v3(134.45,126.02) 134.45,124.31 134.06,123.92 133.65,124.34 v3(133.65,125.77) ; v3(152.43,109.33) 152.17,109.07 151.12,109.07 150.81,109.38 150.81,109.8 150.81,110.25 151.09,110.53 152.01,110.53 v3(152.21,110.32) ; 138.58,123.53 J100.1 ; J100.1 138.33,124.32 ; J100.1 140.17,125.11 ; J100.1 139.38,125.37 ; J100.1 140.17,123.53 ; J100.1 139.38,123.27 ; J100.1 140.33,124.32 141.26,125.25 v3(141.26,126.22) ; J100.1 138.58,125.11 ; v2(113.42,72.68) 113.91,72.19 ; 114.9,69.24 v2(114.41,69.73) ; v3(63.03,141.88) 64.13,140.78 76.55,140.78 83.54,147.77 163.48,147.77 v3(164.22,147.03) ; v2(137.04,65.79) 136.55,65.3 ; U133.2 v3(141.85,24.52) 141.13,24.52 ; v2(113.42,74.65) 113.91,74.16 ; 143.5,97.31 143.5,96.67 v3(143.25,96.42) ; 130.65,63.33 v2(131.14,62.84) ; v2(124.25,63.82) 123.76,64.31 ; v3(144,105.45) 143.9,105.45 143.85,105.5 142.26,105.5 141.88,105.89 141.88,106.04 142.34,106.5 143.65,106.5 v3(143.95,106.8) ; v2(114.41,73.66) 114.9,73.17 ; 119.82,76.12 v2(120.31,76.62) ; R236.1 v3(215.66,157.22) ; v2(117.36,69.73) 116.87,69.24 ; v2(109.49,70.71) 109.98,70.22 ; 112.93,69.24 v2(112.44,69.73) ; 120.8,53.49 v2(121.3,52.99) ; v2(118.34,70.71) 117.85,70.22 ; v2(125.23,60.87) 124.74,61.36 ; v2(114.41,52.99) 114.9,53.49 ; v2(127.2,65.79) 126.71,65.3 ; 134.58,61.36 v2(135.08,60.87) ; 125.73,58.41 v2(126.22,57.92) ; 127.69,62.35 v2(128.19,61.85) ; v2(114.41,75.63) 114.9,75.14 ; 116.87,71.2 v2(117.36,71.7) ; v2(119.33,69.73) 118.84,69.24 ; 115.88,74.16 v2(115.39,74.65) ; 113.91,70.22 v2(113.42,70.71) ; 131.63,60.38 v2(132.12,59.88) ; v2(138.03,61.85) 137.54,62.35 ; 118.84,71.2 v2(119.33,71.7) ; v2(121.3,69.73) 120.8,69.24 ; v2(112.44,71.7) 112.93,71.2 ; v2(120.31,70.71) 119.82,70.22 ; 116.87,73.17 v2(117.36,73.66) ; 111.95,70.22 v2(111.45,70.71) ; 117.85,72.19 v2(118.34,72.68) ; 118.84,75.14 v2(119.33,75.63) ; v2(139.01,58.9) 138.52,59.39